# KiCad board Amber.kicad_pcb
title: Amber PCB; date: 2021-08-30; rev: 1.0; company: Nabu Casa; note: www.nabucasa.com; note: Amber
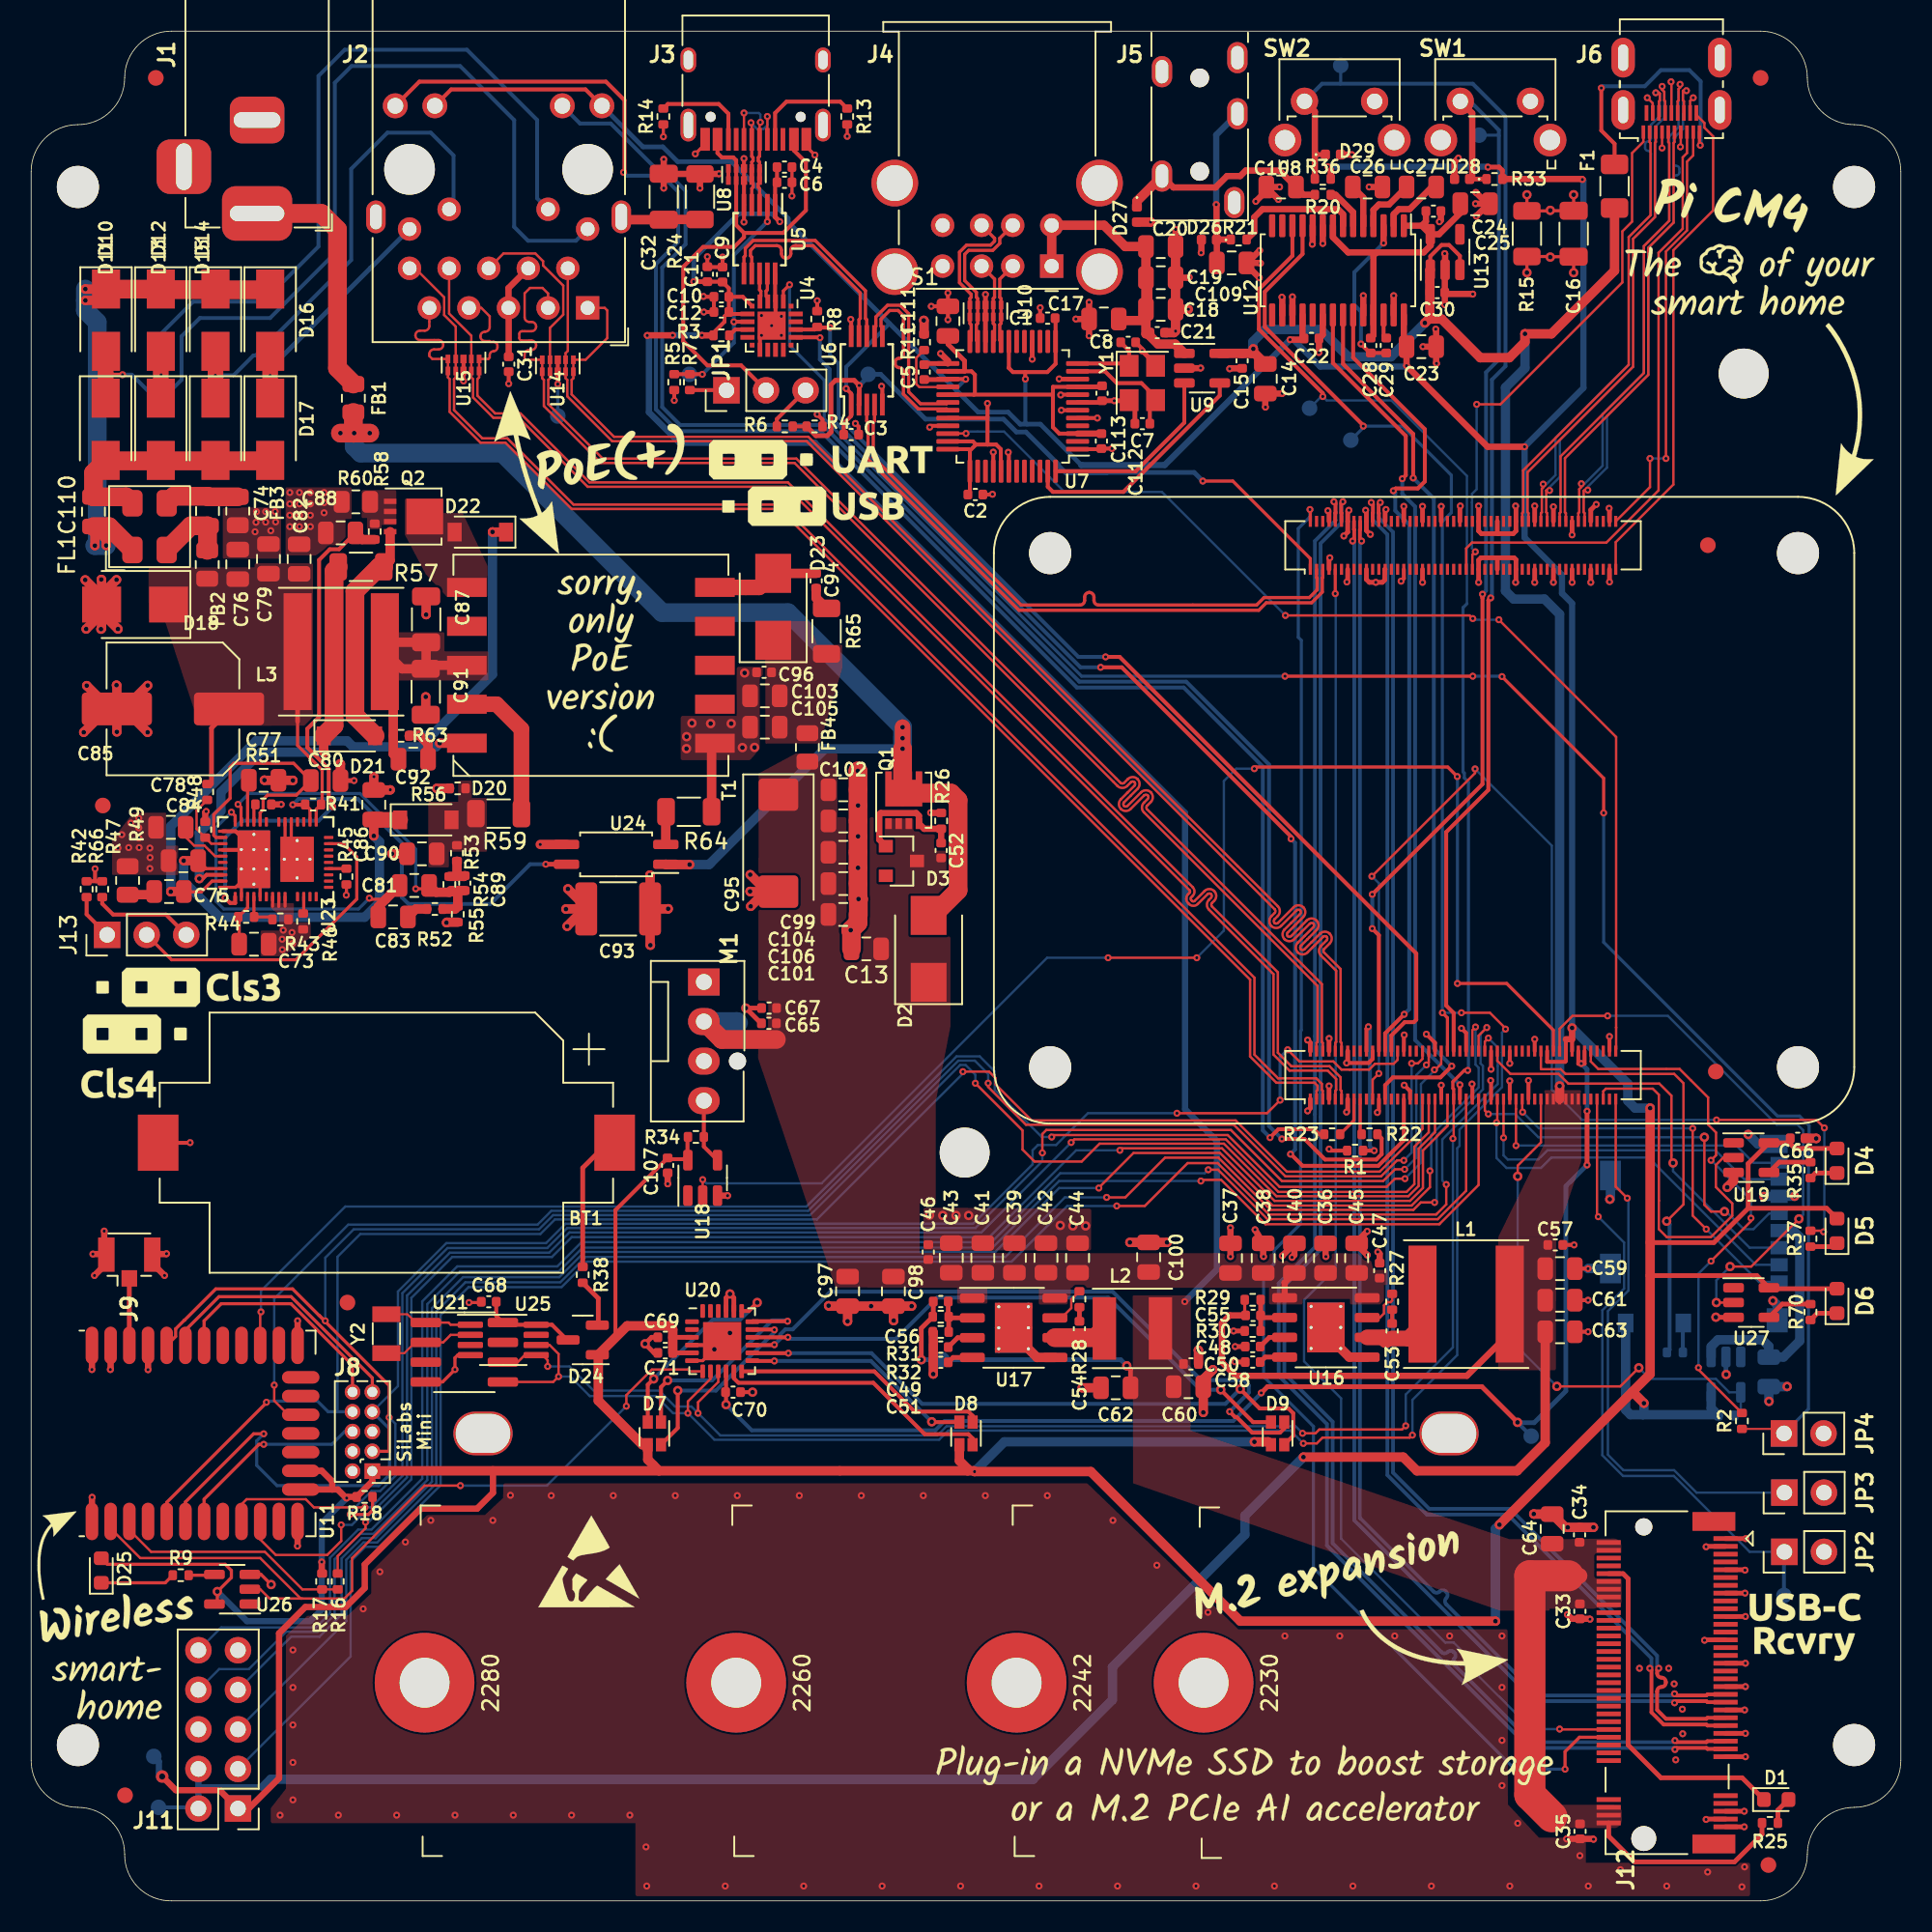
[diagram p0: board, top side]
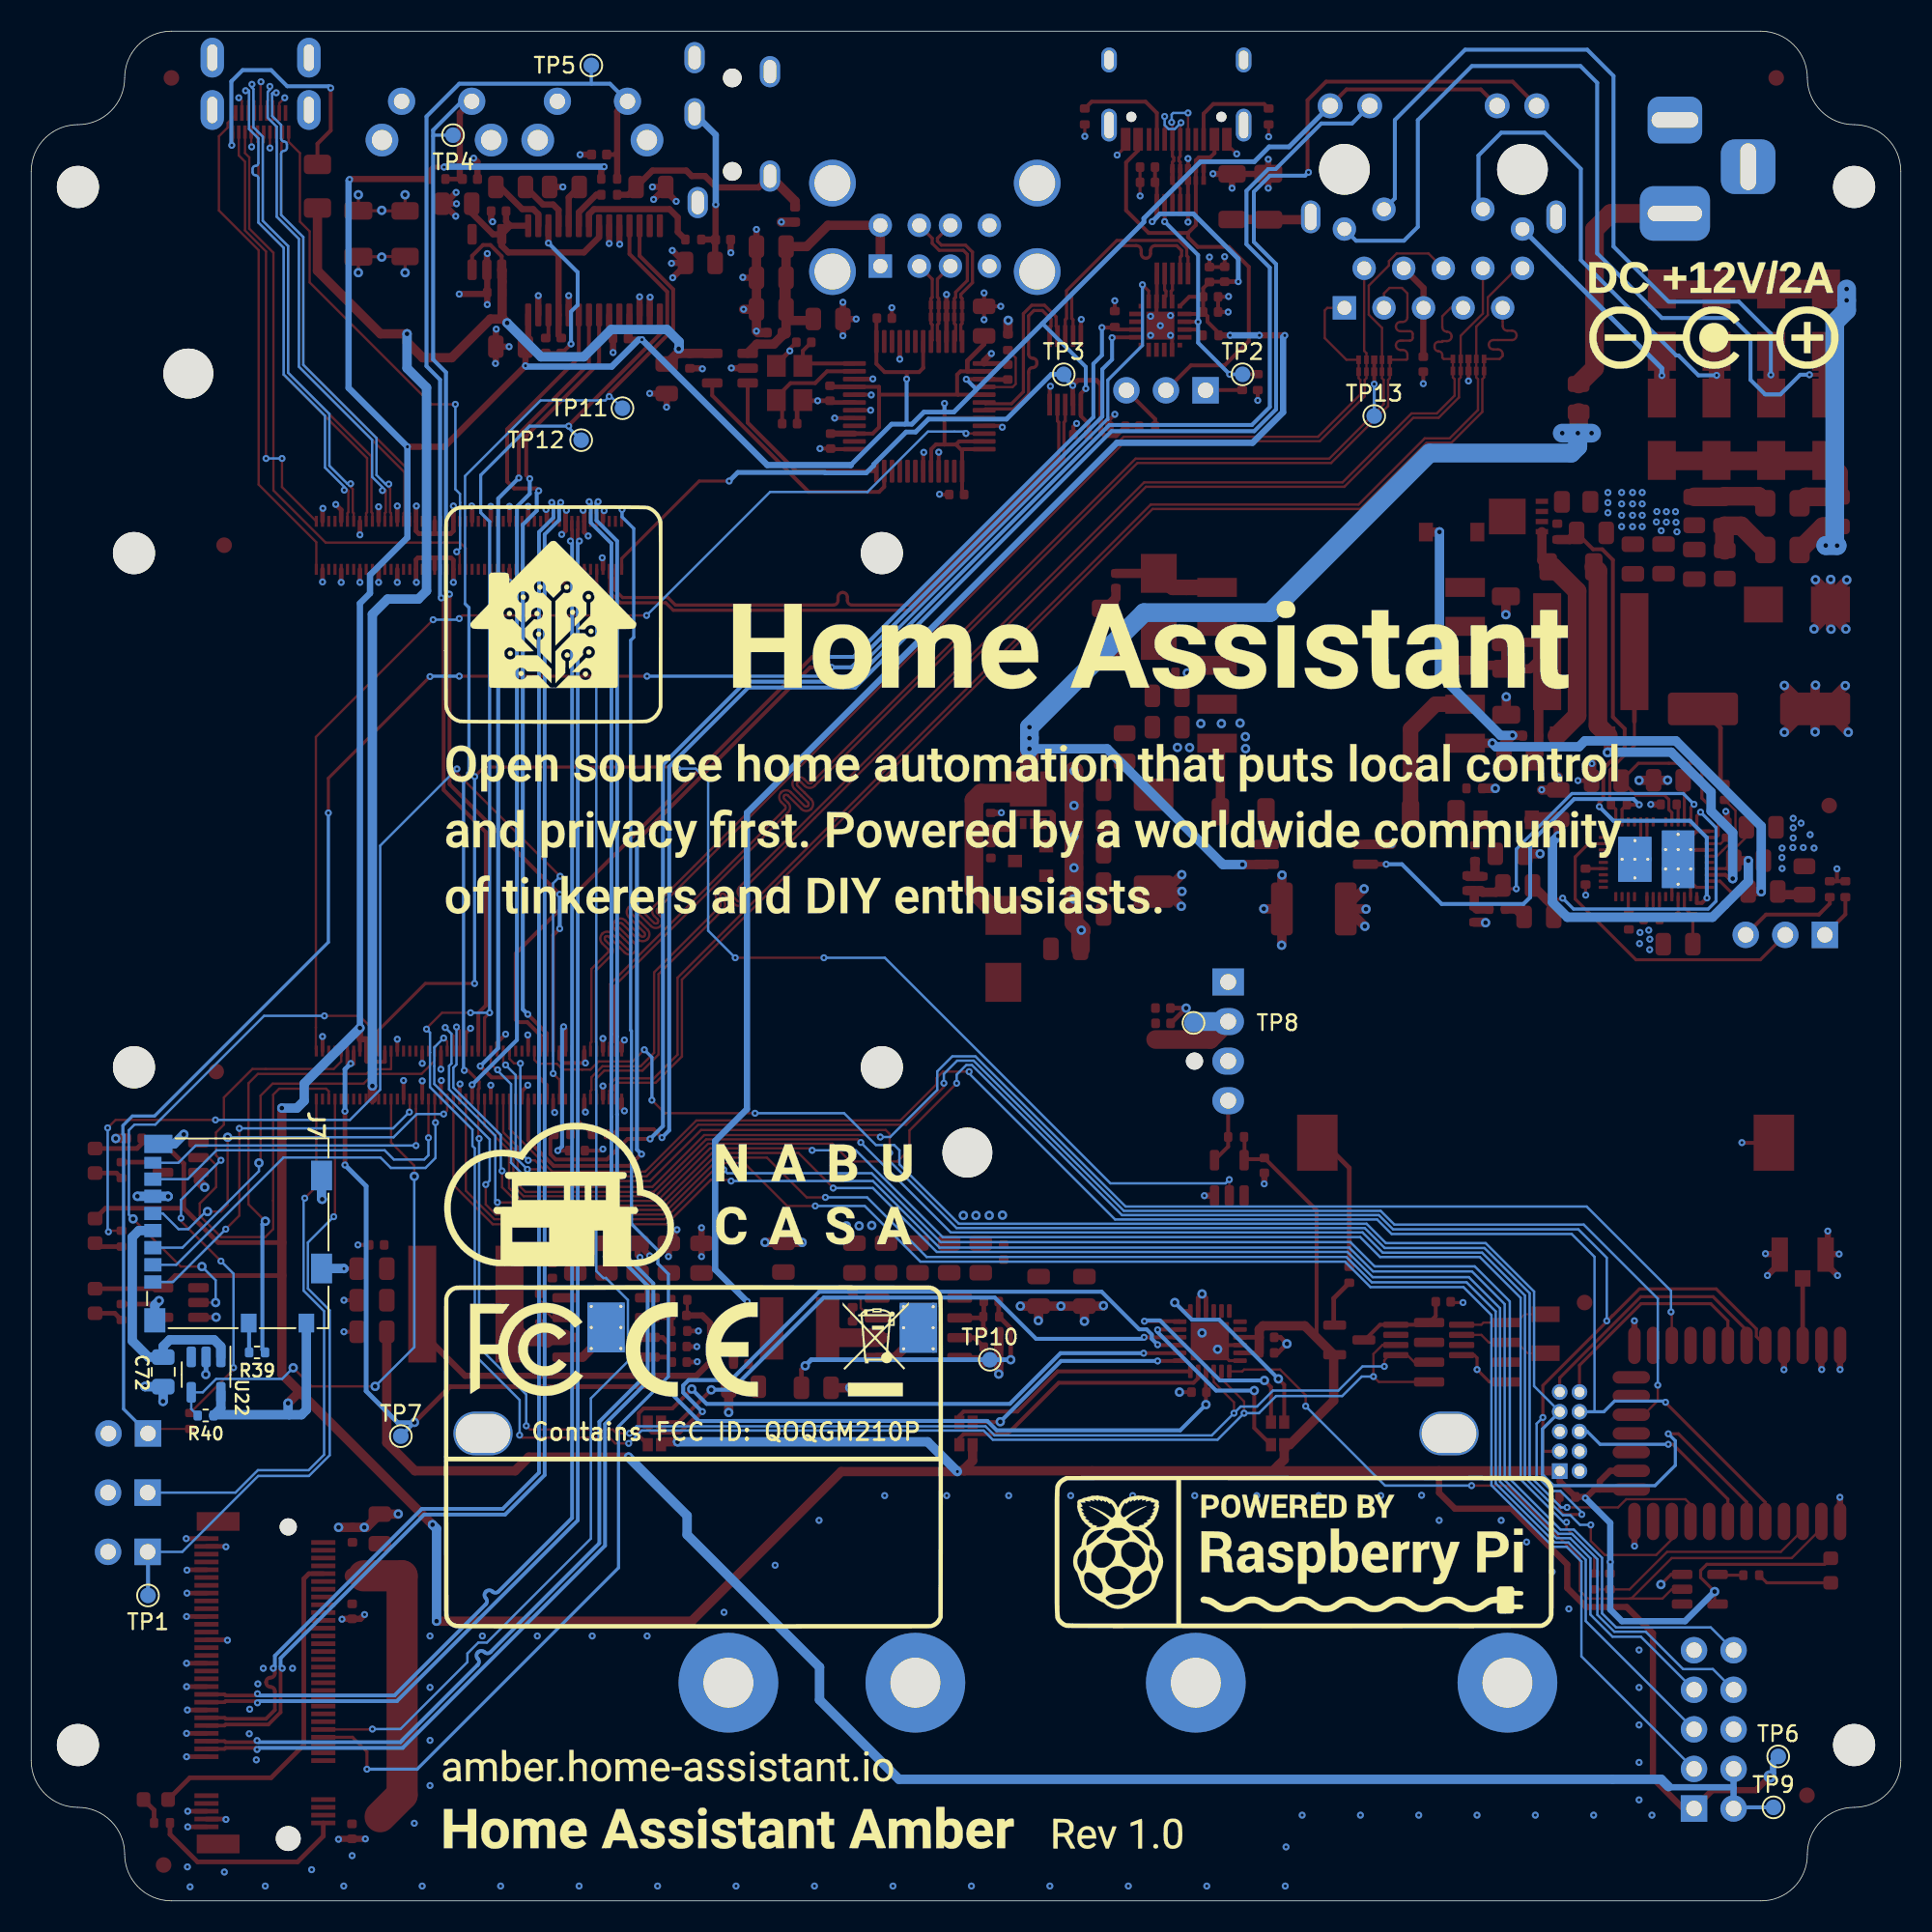
[diagram p1: board, bottom side, seen from below]

Outline 120 x 120 mm; copper layers: Top, In1.Cu, In2.Cu, Bottom. Coordinates in mm from the lower left corner of the outline.
Outline path: 0,111 arc(0.88,113.12) 3,114 arc(5.12,114.88) 6,117 arc(6.88,119.12) 9,120 111,120 arc(113.12,119.12) 114,117 arc(114.88,114.88) 117,114 arc(119.12,113.12) 120,111 120,9 arc(119.12,6.88) 117,6 arc(114.88,5.12) 114,3 arc(113.12,0.88) 111,0 9,0 arc(6.87,0.87) 6,3 arc(5.12,5.12) 3,6 arc(0.88,6.88) 0,9 0,111
Stack: Top 0.035mm / dielectric 0.2mm 7628 er 4.6 / In1.Cu 0.0175mm / dielectric 1.065mm FR4 er 4.5 / In2.Cu 0.0175mm / dielectric 0.2mm 7628 er 4.6 / Bottom 0.035mm

## Placement (name value [footprint] x y rotation side)
BT1  Battery_Cell  [BatteryHolder_Keystone_1060_1x2032]  22.8 48.66 180 top
C1  100n  [C_0402_1005Metric]  65.24 101.58 180 top
C2  100n  [C_0402_1005Metric]  60.6 90.26 0 top
C3  100n  [C_0402_1005Metric]  52.63 94.11 0 top
C4  100n  [C_0402_1005Metric]  48.35 111.28 0 top
C5  10u  [C_0402_1005Metric]  57.32 98.12 90 top
C6  1u  [C_0402_1005Metric]  48.35 110.3 0 top
C7  10p  [C_0402_1005Metric]  71.32 94.81 180 top
C8  10p  [C_0402_1005Metric]  70.41 100.03 0 top
C9  4u7  [C_0402_1005Metric]  44.38 104.38 90 top
C10  4u7  [C_0402_1005Metric]  44.3 102.95 180 top
C11  100n  [C_0402_1005Metric]  43.4 104.4 90 top
C12  100n  [C_0402_1005Metric]  44.3 101.97 180 top
C13  22u/25V  [C_0805_2012Metric]  53.6 61.1 180 top
C14  10u  [C_0805_2012Metric]  79.21 97.69 90 top
C15  100n  [C_0402_1005Metric]  77.72 98.84 90 top
C16  100n/1kV  [C_1206_3216Metric]  99 107 270 top
C17  47u  [C_0805_2012Metric]  68.85 101.53 180 top
C18  47u  [C_0805_2012Metric]  72.5 102.15 0 top
C19  10u  [C_0805_2012Metric]  72.5 104.17 0 top
C20  10u  [C_0805_2012Metric]  72.5 106.17 0 top
C21  100n  [C_0402_1005Metric]  72.28 100.65 0 top
C22  100n  [C_0402_1005Metric]  82.17 100.28 0 top
C23  10u  [C_0805_2012Metric]  89.22 99.75 0 top
C24  100n  [C_0402_1005Metric]  90 108.45 0 top
C25  10u  [C_0805_2012Metric]  92.67 108.92 0 top
C26  2u2/25V  [C_0805_2012Metric]  85.78 110 0 top
C27  2u2/25V  [C_0805_2012Metric]  89.22 110 180 top
C28  100n  [C_0402_1005Metric]  85.97 99.83 270 top
C29  100n  [C_0402_1005Metric]  86.97 99.83 90 top
C30  100n  [C_0402_1005Metric]  90.25 103.22 0 top
C31  100n  [C_0402_1005Metric]  30.65 98.62 90 top
C32  100n/1kV  [C_1206_3216Metric]  40.6 109.38 90 top
C33  100n  [C_0402_1005Metric]  99.4 18.58 270 top
C34  100n  [C_0402_1005Metric]  99.38 23.49 90 top
C35  100n  [C_0402_1005Metric]  99.41 4.46 270 top
C36  22u/25V  [C_0805_2012Metric]  83.08 41.25 90 top
C37  22u/25V  [C_0805_2012Metric]  76.97 41.25 90 top
C38  22u/25V  [C_0805_2012Metric]  79.08 41.25 90 top
C39  22u/25V  [C_0805_2012Metric]  63.11 41.27 90 top
C40  22u/25V  [C_0805_2012Metric]  81.08 41.25 90 top
C41  22u/25V  [C_0805_2012Metric]  61.08 41.27 90 top
C42  22u/25V  [C_0805_2012Metric]  65.13 41.27 90 top
C43  22u/25V  [C_0805_2012Metric]  59.06 41.27 90 top
C44  10u/25V  [C_0805_2012Metric]  67.16 41.26 90 top
C45  10u/25V  [C_0805_2012Metric]  85.08 41.25 90 top
C46  100n/25V  [C_0402_1005Metric]  57.58 41.64 90 top
C47  100n/25V  [C_0402_1005Metric]  86.55 40.45 90 top
C48  1u/25V  [C_0402_1005Metric]  78.4 35.58 180 top
C49  1u/25V  [C_0402_1005Metric]  58.38 35.54 180 top
C50  3n3  [C_0402_1005Metric]  78.4 34.58 180 top
C51  3n3  [C_0402_1005Metric]  58.38 34.56 180 top
C52  100n/25V  [C_0402_1005Metric]  58.41 67.42 90 top
C53  100n  [C_0402_1005Metric]  87.35 36.58 90 top
C54  100n  [C_0402_1005Metric]  67.28 36.72 90 top
C55  10p  [C_0402_1005Metric]  78.42 37.58 0 top
C56  10p  [C_0402_1005Metric]  58.38 38.47 0 top
C57  100n  [C_0402_1005Metric]  97.83 42.1 0 top
C58  100n  [C_0402_1005Metric]  74.44 34.46 0 top
C59  10u  [C_0805_2012Metric]  98.12 40.58 0 top
C60  10u  [C_0805_2012Metric]  74.28 33 0 top
C61  47u  [C_0805_2012Metric]  98.12 38.55 0 top
C62  47u  [C_0805_2012Metric]  69.61 32.93 180 top
C63  47u  [C_0805_2012Metric]  98.12 36.53 0 top
C64  47u  [C_0805_2012Metric]  97.62 23.87 90 top
C65  1u/25V  [C_0402_1005Metric]  47.35 56.32 180 top
C66  100n  [C_0402_1005Metric]  113.38 48.94 0 top
C67  100n/25v  [C_0402_1005Metric]  47.36 57.3 180 top
C68  100n  [C_0402_1005Metric]  29.37 38.45 180 top
C69  1u  [C_0402_1005Metric]  40.7 36.17 180 top
C70  100n  [C_0402_1005Metric]  45.05 32.65 0 top
C71  100n  [C_0402_1005Metric]  40.7 35.17 180 top
C72  10u  [C_0805_2012Metric]  111.53 33.95 270 bottom
C73  2n2/100V  [C_0805_2012Metric]  14.3 61.4 0 top
C74  1n/100V  [C_0805_2012Metric]  11.32 89.2 90 top
C75  1n/100V  [C_0805_2012Metric]  8.85 64.78 180 top
C76  1n/100V  [C_0805_2012Metric]  13.26 85.78 90 top
C77  47n/100V  [C_0805_2012Metric]  14.92 71.92 180 top
C78  100n/100V  [C_0805_2012Metric]  8.97 68.9 180 top
C79  100n/100V  [C_0805_2012Metric]  15.23 86.13 90 top
C80  100n/100V  [C_0805_2012Metric]  18.9 71.9 0 top
C81  220p/100V  [C_0805_2012Metric]  24.59 65.17 180 top
C82  100n/100V  [C_0805_2012Metric]  17.2 86.12 90 top
C83  15n/100V  [C_0805_2012Metric]  23.23 63.15 180 top
C84  100n/100V  [C_0805_2012Metric]  9.77 66.76 180 top
C85  47u/63V  [C_Elec_8x10.2]  9.1 76.5 180 top
C86  2u2/25V  [C_0805_2012Metric]  21.99 70.35 90 top
C87  2u2/100V  [C_1206_3216Metric]  25.35 82.25 90 top
C88  100p/100V  [C_0805_2012Metric]  19.86 87.8 180 top
C89  1n/25V  [C_0402_1005Metric]  27.83 65.32 270 top
C90  2u2/25V  [C_0805_2012Metric]  25.08 67.2 180 top
C91  2u2/100V  [C_1206_3216Metric]  25.33 77.6 270 top
C92  100n/100V  [C_0805_2012Metric]  24.52 73.28 180 top
C93  2n2/2kV  [C_1812_4532Metric]  37.67 63.67 0 top
C94  2n2/25V  [C_0402_1005Metric]  50.38 84.72 270 top
C95  220u/25V  [CP_EIA-7343-31_Kemet-D]  47.96 67.89 270 top
C96  1u/25V  [C_0402_1005Metric]  47.04 78.85 180 top
C97  22u/25V  [C_0805_2012Metric]  52.4 39.12 270 top
C98  22u/25V  [C_0805_2012Metric]  55.34 39.12 270 top
C99  22u/25V  [C_0805_2012Metric]  52.12 67.3 0 top
C100  22u/25V  [C_0805_2012Metric]  71.72 41.31 90 top
C101  22u/25V  [C_0805_2012Metric]  52.12 63.31 0 top
C102  22u/25V  [C_0805_2012Metric]  52.12 71.31 0 top
C103  22u/25V  [C_0805_2012Metric]  47.09 77.34 180 top
C104  22u/25V  [C_0805_2012Metric]  52.12 69.31 0 top
C105  22u/25V  [C_0805_2012Metric]  47.09 75.33 180 top
C106  22u/25V  [C_0805_2012Metric]  52.12 65.29 0 top
C107  100n  [C_0402_1005Metric]  40.85 47.2 270 top
C108  2n2/25V  [C_0805_2012Metric]  80.22 110 0 top
C109  2n2/25V  [C_0805_2012Metric]  77.05 105.12 0 top
C110  1n/100V  [C_0805_2012Metric]  4 89.16 90 top
C111  10u  [C_0805_2012Metric]  58.84 101.39 270 top
C112  100n  [C_0402_1005Metric]  68.69 93.69 90 top
C113  100n  [C_0402_1005Metric]  68.73 96.76 90 top
D1  LED_Small  [LED_0603_1608Metric]  112 6.5 0 top
D2  B340LB-13-F  [D_SMB]  57.6 61.1 90 top
D3  MMBZ5242BLT3G  [D_SOT-23_ANK]  55.86 66.74 0 top
D4  LED Red  [LED_0603_1608Metric]  115.9 47.5 90 top
D5  LED Green  [LED_0603_1608Metric]  115.9 43 90 top
D6  LED Yellow  [LED_0603_1608Metric]  115.9 38.5 90 top
D7  LTST-C19HE1WT  [LED_LiteOn_LTST-C19HE1WT]  40 30 0 top
D8  LTST-C19HE1WT  [LED_LiteOn_LTST-C19HE1WT]  60 30 0 top
D9  LTST-C19HE1WT  [LED_LiteOn_LTST-C19HE1WT]  80 30 0 top
D10  B1100-13-F  [D_SMA]  4.8 101.45 270 top
D11  B1100-13-F  [D_SMA]  4.78 94.45 270 top
D12  B1100-13-F  [D_SMA]  8.32 101.45 270 top
D13  B1100-13-F  [D_SMA]  8.32 94.45 270 top
D14  B1100-13-F  [D_SMA]  11.83 101.45 270 top
D15  B1100-13-F  [D_SMA]  11.83 94.45 270 top
D16  B1100-13-F  [D_SMA]  15.34 101.45 270 top
D17  B1100-13-F  [D_SMA]  15.34 94.45 270 top
D18  SMBJ58A-13-F  [D_SMB]  6.67 83.2 180 top
D20  BAT41ZFILM  [D_SOD-123]  25.33 69.38 0 top
D21  BAT41ZFILM  [D_SOD-123]  20.42 74.78 0 top
D22  BAT41ZFILM  [D_SOD-123]  28.83 87.85 180 top
D23  B340LB-13-F  [D_SMB]  47.62 83.05 90 top
D24  BAT54C-7-F  [SOT-23]  35.4 36 180 top
D25  LED Blue  [LED_0603_1608Metric]  4.5 21.2 90 top
D26  D_TVS  [D_0402_1005Metric]  75.59 106.61 180 top
D27  D_TVS  [D_0402_1005Metric]  70.97 108.23 270 top
D28  D_TVS  [D_0402_1005Metric]  91.84 110.51 180 top
D29  D_TVS  [D_0402_1005Metric]  83.55 112.08 0 top
F1  Polyfuse_Small  [Fuse_1206_3216Metric]  101.62 110.05 90 top
FB1  300R/3A  [R_0805_2012Metric]  20.68 96.44 270 top
FB2  300R/2A  [R_0805_2012Metric]  11.3 85.77 270 top
FB3  300R/2A  [R_0805_2012Metric]  13.26 89.2 270 top
FB4  300R/3A  [R_0805_2012Metric]  49.82 74.03 270 top
FID1  Fiducial  [Fiducial_1mm_Mask2mm]  8 117 90 top
FID2  Fiducial  [Fiducial_1mm_Mask2mm]  111 117 0 top
FID3  Fiducial  [Fiducial_1mm_Mask2mm]  4.6 70.3 0 top
FID4  Fiducial  [Fiducial_1mm_Mask2mm]  20.3 38.4 0 top
FID5  Fiducial  [Fiducial_1mm_Mask2mm]  111.5 2.3 0 top
FID6  Fiducial  [Fiducial_1mm_Mask2mm]  108.12 53.23 0 top
FID7  Fiducial  [Fiducial_1mm_Mask2mm]  107.62 87.01 0 top
FID8  Fiducial  [Fiducial_1mm_Mask2mm]  6.02 6.78 0 top
FL1  1k@100MHz/500mA  [L_CommonModeChoke_Murata_DLW5B]  7.6 88.2 90 top
H1  MountingHole  [MountingHole_2.7mm_M2.5]  3 110 0 top
H2  MountingHole  [MountingHole_2.7mm_M2.5]  117 110 0 top
H3  MountingHole  [MountingHole_2.7mm_M2.5]  117 10 0 top
H4  MountingHole  [MountingHole_2.7mm_M2.5]  3 10 0 top
H5  MountingHole  [DrillSlot_Plated_3.5x2.5mm]  29 30 0 top
H6  MountingHole  [DrillSlot_Plated_3.5x2.5mm]  91 30 0 top
HS1  Heatsink  [Heatsink_56x56mm_2xFixation3.2mm]  84.91 73.03 0 top
J1  Barrel_Jack  [BarrelJack_CUI_PJ-002A]  14.5 108.3 270 top
J2  -  [RJ45_LINK-PP_LPJG0926HENL_Horizontal]  35.72 102.24 180 top
J3  USB_C_Receptacle_USB2.0  [USB_C_Receptacle_HRO_TYPE-C-31-M-12]  46.5 117.1 180 top
J4  USB_A_Stacked  [USB_A_Wuerth_61400826021_Horizontal_Stacked]  65.5 104.92 180 top
J5  AudioJack  [Jack_3.5mm_XKB_PJ-3270_Horizontal]  75 120 0 top
J6  HDMI_D_2.0  [HDMI_Micro-D_Molex_46765-1x01]  105.28 118.3 180 top
J7  Micro_SD_Card_Det  [microSD_HC_Molex_104031-0811]  106.74 42.83 90 bottom
J8  SiLabs Mini Debug  [PinHeader_2x05_P1.27mm_Vertical]  21.9 27.58 180 top
J9  Conn_Coaxial  [U.FL_Hirose_U.FL-R-SMT-1_Vertical]  6.3 41 90 top
J11  Conn_02x05_Odd_Even  [PinHeader_2x05_P2.54mm_Vertical]  13.27 5.93 180 top
J12  Bus_M.2_Socket_M  [TE_1-2199230-3_Bus_M.2_M_H4.2mm_P0.5mm_2280_Horizontal]  105 14 270 top
J13  Conn_01x03_Male  [PinHeader_1x03_P2.54mm_Vertical]  4.88 62 90 top
JP1  Conn_01x03_Male  [PinHeader_1x03_P2.54mm_Vertical]  44.62 96.95 90 top
JP2  Conn_01x02  [PinHeader_1x02_P2.54mm_Vertical]  112.53 22.4 90 top
JP3  Conn_01x02  [PinHeader_1x02_P2.54mm_Vertical]  112.53 26.2 90 top
JP4  Conn_01x02  [PinHeader_1x02_P2.54mm_Vertical]  112.5 30 90 top
L1  3u3  [L_Taiyo-Yuden_NR-80xx]  92.1 38.3 0 top
L2  2u2  [L_Taiyo-Yuden_NR-50xx]  70.68 36.74 0 top
L3  3u3  [L_Taiyo-Yuden_NR-80xx]  19.9 80.17 0 top
M1  Fan_4pin  [FanPinHeader_1x04_P2.54mm_Vertical]  43.17 58.97 270 top
Q1  DMP3013SFV-7  [Diodes_PowerDI3333-8]  56 70.64 90 top
Q2  BSZ440N10NS3GATMA1  [PG-TSDSON-8]  24.54 88.85 0 top
R1  10k  [R_0402_1005Metric]  84.97 48.15 0 top
R2  220R  [R_0402_1005Metric]  109.8 30.8 270 top
R3  1k  [R_0402_1005Metric]  44.3 100.47 0 top
R4  2k2/1%  [R_0402_1005Metric]  50.28 94.63 0 top
R5  3k6  [R_0402_1005Metric]  41.28 97.47 270 top
R6  2k2/1%  [R_0402_1005Metric]  48.37 94.63 0 top
R7  2k2/1%  [R_0402_1005Metric]  42.28 97.47 90 top
R8  10k  [R_0402_1005Metric]  50.45 101.53 270 top
R9  1k  [R_0402_1005Metric]  9.6 20.9 0 top
R11  2.7k/1%  [R_0402_1005Metric]  57.31 100.04 270 top
R13  5k1  [R_0402_1005Metric]  52.38 114.53 90 top
R14  5k1  [R_0402_1005Metric]  40.58 114.53 90 top
R15  0R  [R_1206_3216Metric]  96 107 90 top
R16  1k  [R_0402_1005Metric]  19.67 20.5 270 top
R17  10k  [R_0402_1005Metric]  18.67 20.5 90 top
R18  10k  [R_0402_1005Metric]  21.4 25.92 180 top
R20  470R  [R_0402_1005Metric]  82.9 109.5 180 top
R21  470R  [R_0402_1005Metric]  77.5 106.62 180 top
R22  470R  [R_0402_1005Metric]  85.9 49.2 0 top
R23  470R  [R_0402_1005Metric]  83.5 49.2 180 top
R24  0R  [R_1206_3216Metric]  42.92 109.38 270 top
R25  1k  [R_0402_1005Metric]  111.6 5 0 top
R26  12k/1%  [R_0402_1005Metric]  58.41 69.31 90 top
R27  0R  [R_0402_1005Metric]  87.35 38.45 270 top
R28  0R  [R_0402_1005Metric]  67.28 38.61 270 top
R29  124k/1%  [R_0402_1005Metric]  78.4 38.58 180 top
R30  22k/1%  [R_0402_1005Metric]  78.4 36.58 0 top
R31  75k/1%  [R_0402_1005Metric]  58.38 37.49 180 top
R32  22k/1%  [R_0402_1005Metric]  58.38 36.52 0 top
R33  10k  [R_0402_1005Metric]  93.92 110.51 0 top
R34  10k  [R_0402_1005Metric]  42.67 49.03 180 top
R35  1k  [R_0402_1005Metric]  114.2 46.9 90 top
R36  10k  [R_0402_1005Metric]  82.9 110.53 0 top
R37  1k  [R_0402_1005Metric]  114.2 42.5 90 top
R38  100R  [R_0402_1005Metric]  35.4 40.18 90 top
R39  10k  [R_0402_1005Metric]  105.5 35.2 180 bottom
R40  10k  [R_0402_1005Metric]  108.8 31.15 0 bottom
R41  25k5/1%  [R_0402_1005Metric]  18.09 70.36 180 top
R42  31R6/1%  [R_0402_1005Metric]  3.56 64.93 270 top
R43  60k4/1%  [R_0402_1005Metric]  15.99 62.99 180 top
R44  237k/1%  [R_0402_1005Metric]  13.8 63.15 0 top
R45  49k9/1%  [R_0402_1005Metric]  20.23 65.74 90 top
R46  0R  [R_0402_1005Metric]  17.45 62.86 90 top
R47  51R  [R_0805_2012Metric]  6.19 65.49 90 top
R48  110k  [R_0402_1005Metric]  11.3 71.17 270 top
R49  10k  [R_0402_1005Metric]  11.17 68.75 90 top
R51  499k  [R_0402_1005Metric]  14.9 70.37 0 top
R52  39k  [R_0402_1005Metric]  25.91 63.66 180 top
R53  49R9/1%  [R_0402_1005Metric]  27.33 67.24 270 top
R54  24k9/1%  [R_0402_1005Metric]  26.84 65.24 270 top
R55  4k22/1%  [R_0402_1005Metric]  27.38 63.32 270 top
R56  3k3  [R_0402_1005Metric]  27.37 71.4 180 top
R57  4R7  [R_1206_3216Metric]  21.17 85.62 0 top
R58  1k5  [R_0402_1005Metric]  22.05 87.88 90 top
R59  3R0/1%  [R_1206_3216Metric]  30.01 69.78 0 top
R60  0R1  [R_0805_2012Metric]  20.84 89.79 180 top
R63  10k  [R_0402_1005Metric]  23.75 74.78 0 top
R64  1k2  [R_1206_3216Metric]  42.21 69.9 0 top
R65  4R7  [R_1206_3216Metric]  51.05 81.49 270 top
R66  46R4/1%  [R_0402_1005Metric]  4.56 64.93 270 top
R70  1k  [R_0402_1005Metric]  114.2 37.79 90 top
Ref**  Val**  [SilkScreen_UART-USB-Mux]  51 91 0 top
REF**  -  [ESD-Logo_6.6x6mm_SilkScreen]  35.8 21.8 0 top
Ref**#2  Val**  [SilkScreen_USB-Boot]  113.9 17.8 0 top
REF**#2  -  [FCC-Logo_7.3x6mm_SilkScreen]  88.2 35.4 180 bottom
Ref**#3  Val**  [SilkScreen_PoE-Text]  35.9 85.4 0 top
REF**#3  -  [WEEE-Logo_4.2x6mm_SilkScreen]  65.8 35.4 180 bottom
Ref**#4  Val**  [SilkScreen_Radio-Text]  5.4 18 0 top
REF**#4  -  [CE-Logo_8.5x6mm_SilkScreen]  77.6 35.4 180 bottom
Ref**#5  Val**  [SilkScreen_CM4-Text]  110.7 99.8 0 top
Ref**#6  Val**  [SilkScreen_Class-Selection]  6.44 55.68 0 top
Ref**#7  Val**  [SilkScreen_M.2-Text]  78.08 14.46 0 top
Ref**#8  Val**  [SilkScreen_AmberBackside]  60 60 180 bottom
SW1  SW_USER  [SW_Tactile_SPST_Angled_PTS645Vx83-2LFS]  91.72 115.5 0 top
SW2  SW_WIPE  [SW_Tactile_SPST_Angled_PTS645Vx58-2LFS]  81.72 115.5 0 top
T1  PA2467NL  [Transformer_Pulse_PA2467NL]  35.92 79.3 90 top
TP1  TestPoint  [TestPoint_Pad_D1.0mm]  112.5 19.6 180 bottom
TP2  TestPoint  [TestPoint_Pad_D1.0mm]  42.25 97.97 180 bottom
TP3  TestPoint  [TestPoint_Pad_D1.0mm]  53.72 97.97 180 bottom
TP4  TestPoint  [TestPoint_Pad_D1.0mm]  92.92 113.33 180 bottom
TP5  TestPoint  [TestPoint_Pad_D1.0mm]  84.05 117.8 180 bottom
TP6  TestPoint  [TestPoint_Pad_D1.0mm]  7.87 9.27 180 bottom
TP7  TestPoint  [TestPoint_Pad_D1.0mm]  96.28 29.83 180 bottom
TP8  TestPoint  [TestPoint_Pad_D1.0mm]  45.4 56.35 180 bottom
TP9  TestPoint  [TestPoint_Pad_D1.0mm]  8.17 6 180 bottom
TP10  TestPoint  [TestPoint_Pad_D1.0mm]  58.47 34.73 180 bottom
TP11  TestPoint  [TestPoint_Pad_D1.0mm]  82.05 95.8 180 bottom
TP12  TestPoint  [TestPoint_Pad_D1.0mm]  84.7 93.75 180 bottom
TP13  TestPoint  [TestPoint_Pad_D1.0mm]  33.8 95.3 180 bottom
U1  RaspberryPi-CM4Lite  [RaspberryPi-CM4]  89.4 70 90 top
U2  DF40C-100DS-0.4V  [Hirose_DF40_DF40C-100DS-0.4V_2x50_P0.40mm_Vertical_Virtual]  91.9 87 0 top
U3  DF40C-100DS-0.4V  [Hirose_DF40_DF40C-100DS-0.4V_2x50_P0.40mm_Vertical_Virtual]  91.9 53 0 top
U4  CP2102N-Axx-xQFN20  [SiliconLabs_QFN-20-1EP_3x3mm_P0.5mm_EP1.8x1.8mm]  47.53 101.1 270 top
U5  FSUSB42MUX  [MSOP-10_3x3mm_P0.5mm]  46.75 106.65 270 top
U6  FSUSB42MUX  [MSOP-10_3x3mm_P0.5mm]  53.63 98.23 90 top
U7  FE1.1  [TQFP-48_7x7mm_P0.5mm]  63 95.92 180 top
U8  TPD4EUSB30  [USON-10_2.5x1.0mm_P0.5mm]  45.75 110.8 270 top
U9  AP2191W  [SOT-23-5]  75.15 98.37 0 top
U10  TPD4EUSB30  [USON-10_2.5x1.0mm_P0.5mm]  61.25 102.04 90 top
U11  SiliconLabs-MGM210P  [SiliconLabs_MGM210P]  10.6 30 90 top
U12  PCM5121PW  [TSSOP-28_4.4x9.7mm_P0.65mm]  83.88 104.65 270 top
U13  TLV74033PDBVR  [SOT-23-5]  90.75 105.83 90 top
U14  TPD4EUSB30  [USON-10_2.5x1.0mm_P0.5mm]  33.8 98.53 270 top
U15  TPD4EUSB30  [USON-10_2.5x1.0mm_P0.5mm]  27.75 98.58 270 top
U16  BD9D321EFJ  [HTSOP-8-1EP_3.9x4.9mm_P1.27mm_EP2.4x3.2mm_ThermalVias]  83.1 36.8 0 top
U17  BD9D321EFJ  [HTSOP-8-1EP_3.9x4.9mm_P1.27mm_EP2.4x3.2mm_ThermalVias]  63.06 36.78 0 top
U18  74LVC1G07  [SOT-23-5]  43.1 46.4 90 top
U19  74LVC1G07  [SOT-23-5]  110.4 47.7 0 top
U20  LP5569RTWR  [WQFN-24-1EP_4x4mm_P0.5mm_EP2.45x2.45mm]  44.35 35.92 0 top
U21  PCF85063AT  [SOIC-8_3.9x4.9mm_P1.27mm]  27.8 35.21 0 top
U22  RT9742GGJ5  [SOT-23-5]  108.78 33.78 270 bottom
U23  TPS23734  [Texas_VQFN-47-2EP_5x7mm_P0.4mm_ThermalVias]  15.7 66.85 90 top
U24  TCMT1107  [SOP-4_4.4x2.6mm_P1.27mm]  37.55 67.17 180 top
U25  PCF8563TS  [MSOP-8_3x3mm_P0.65mm]  30.3 36 0 top
U26  74LVC1G07  [SOT-23-5]  12.9 20 180 top
U27  74LVC1G07  [SOT-23-5]  110.4 38.4 0 top
Y1  12MHz/10pF  [Crystal_SMD_3225-4Pin_3.2x2.5mm]  71.32 97.42 270 top
Y2  32768Hz/12.5pF  [Crystal_SMD_3215-2Pin_3.2x1.5mm]  22.8 36.4 90 top
